# Altium PCB Pannel3.5x2 Ver0.1.PcbDoc (part 1 of 4)
Units mil, origin at the board's own origin, x right, y up, seen from the top; angles counter-clockwise.
Board outline 4133.86 x 2283.46 mil, 4 copper layers (SIGNAL, GROUND, PWR, SIGNAL (Bottom)), stack 61.627 mil thick; 218 components, 165 nets, 799 pads, 640 vias.
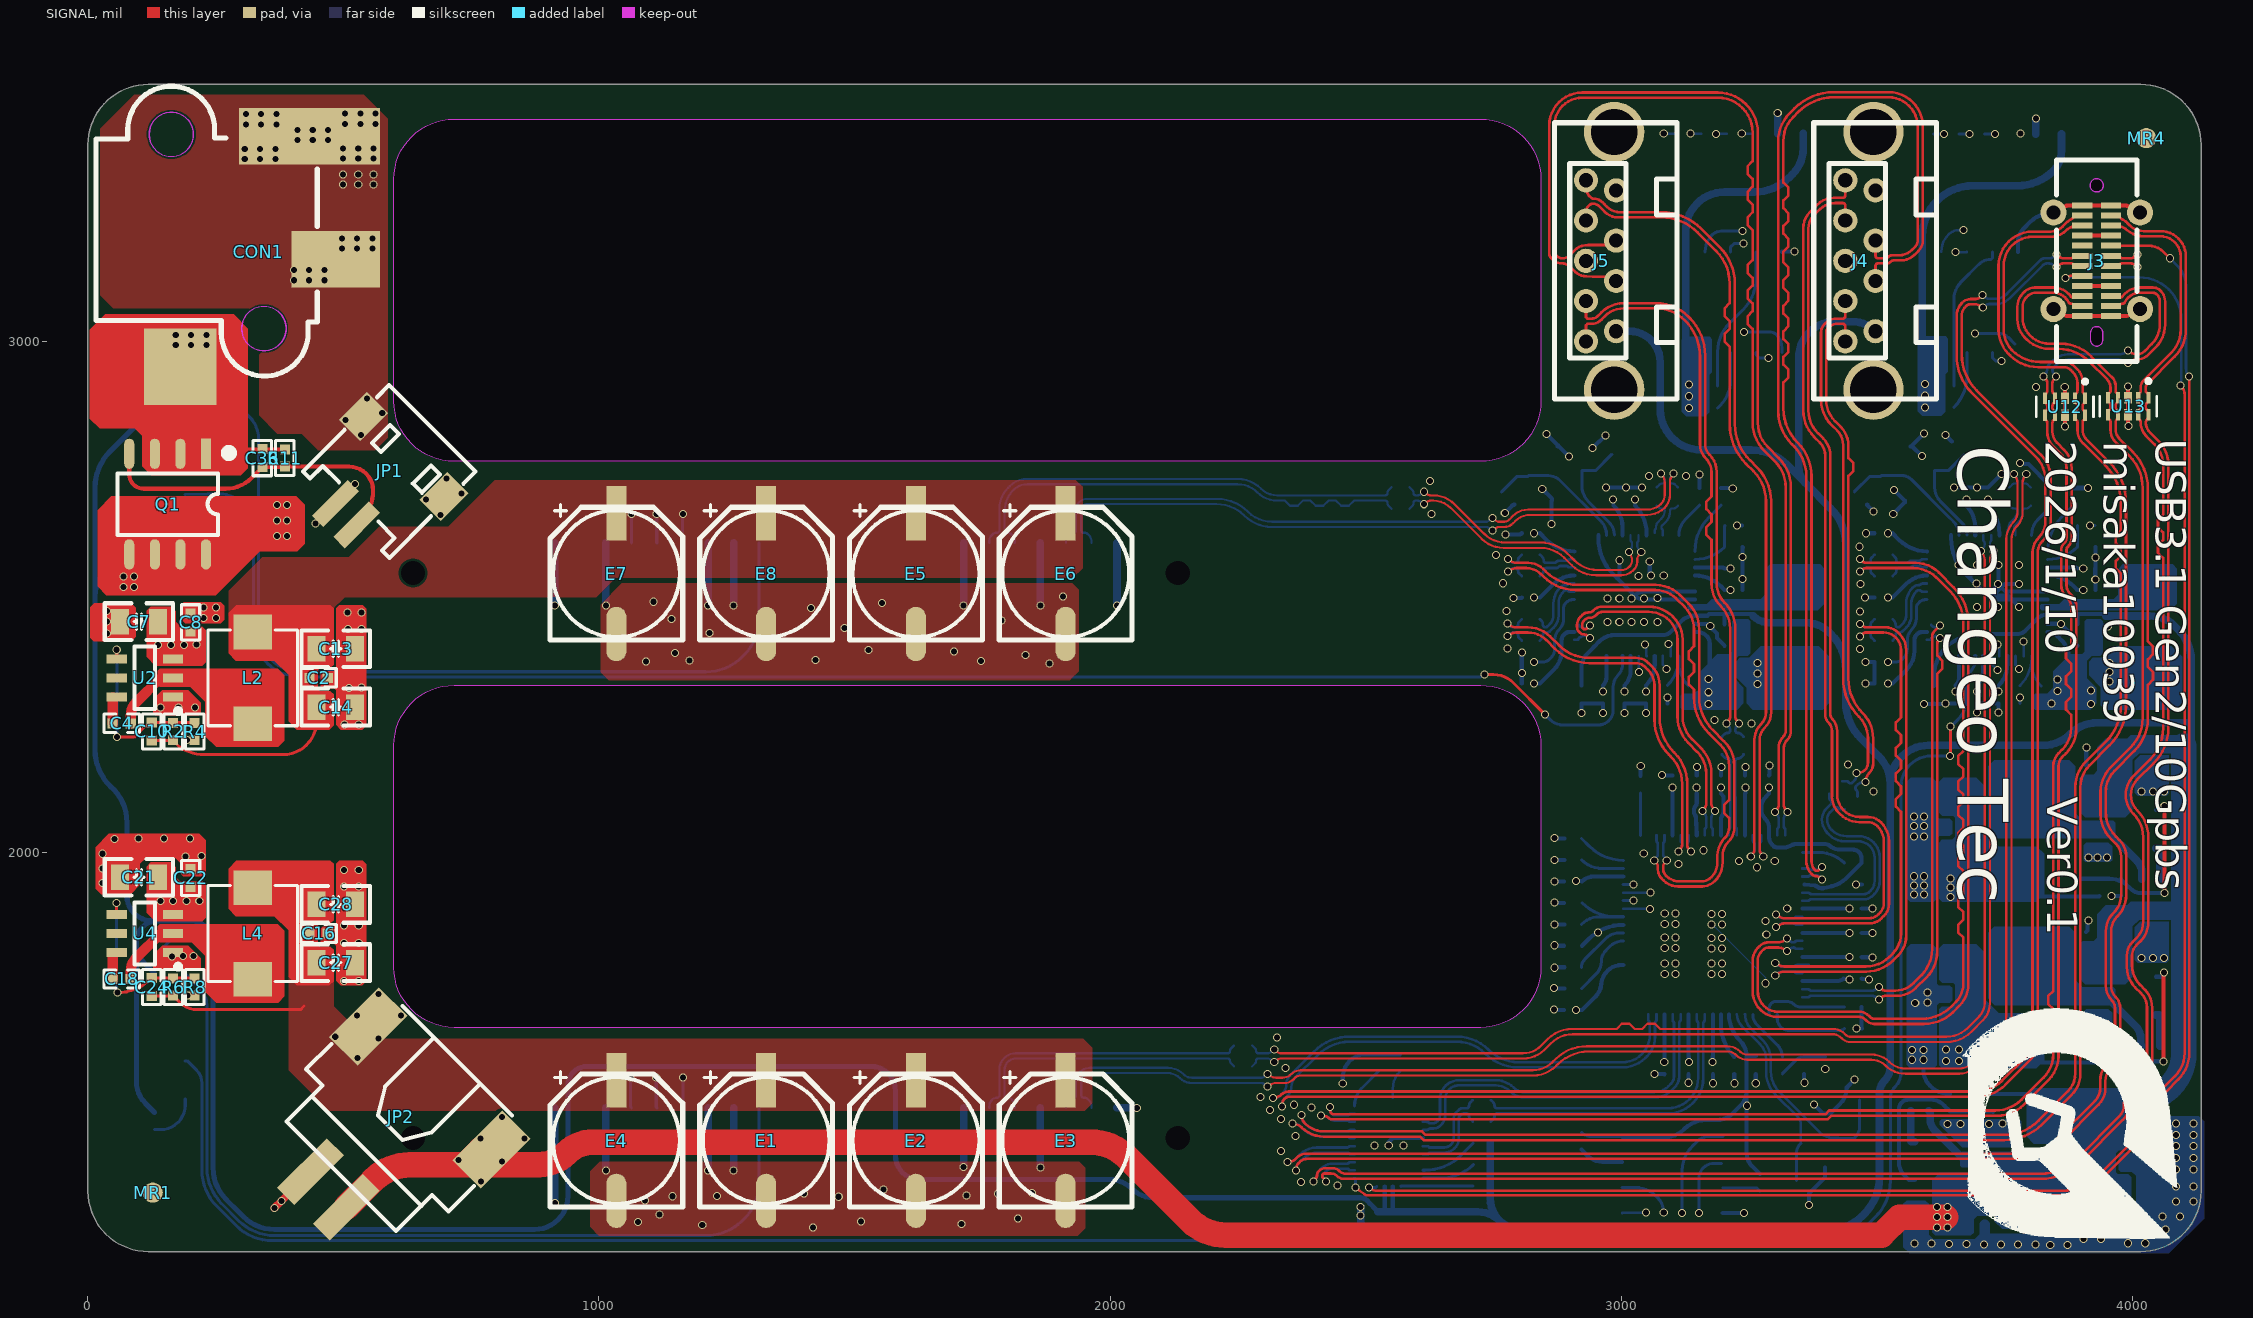
[diagram p0: SIGNAL view]
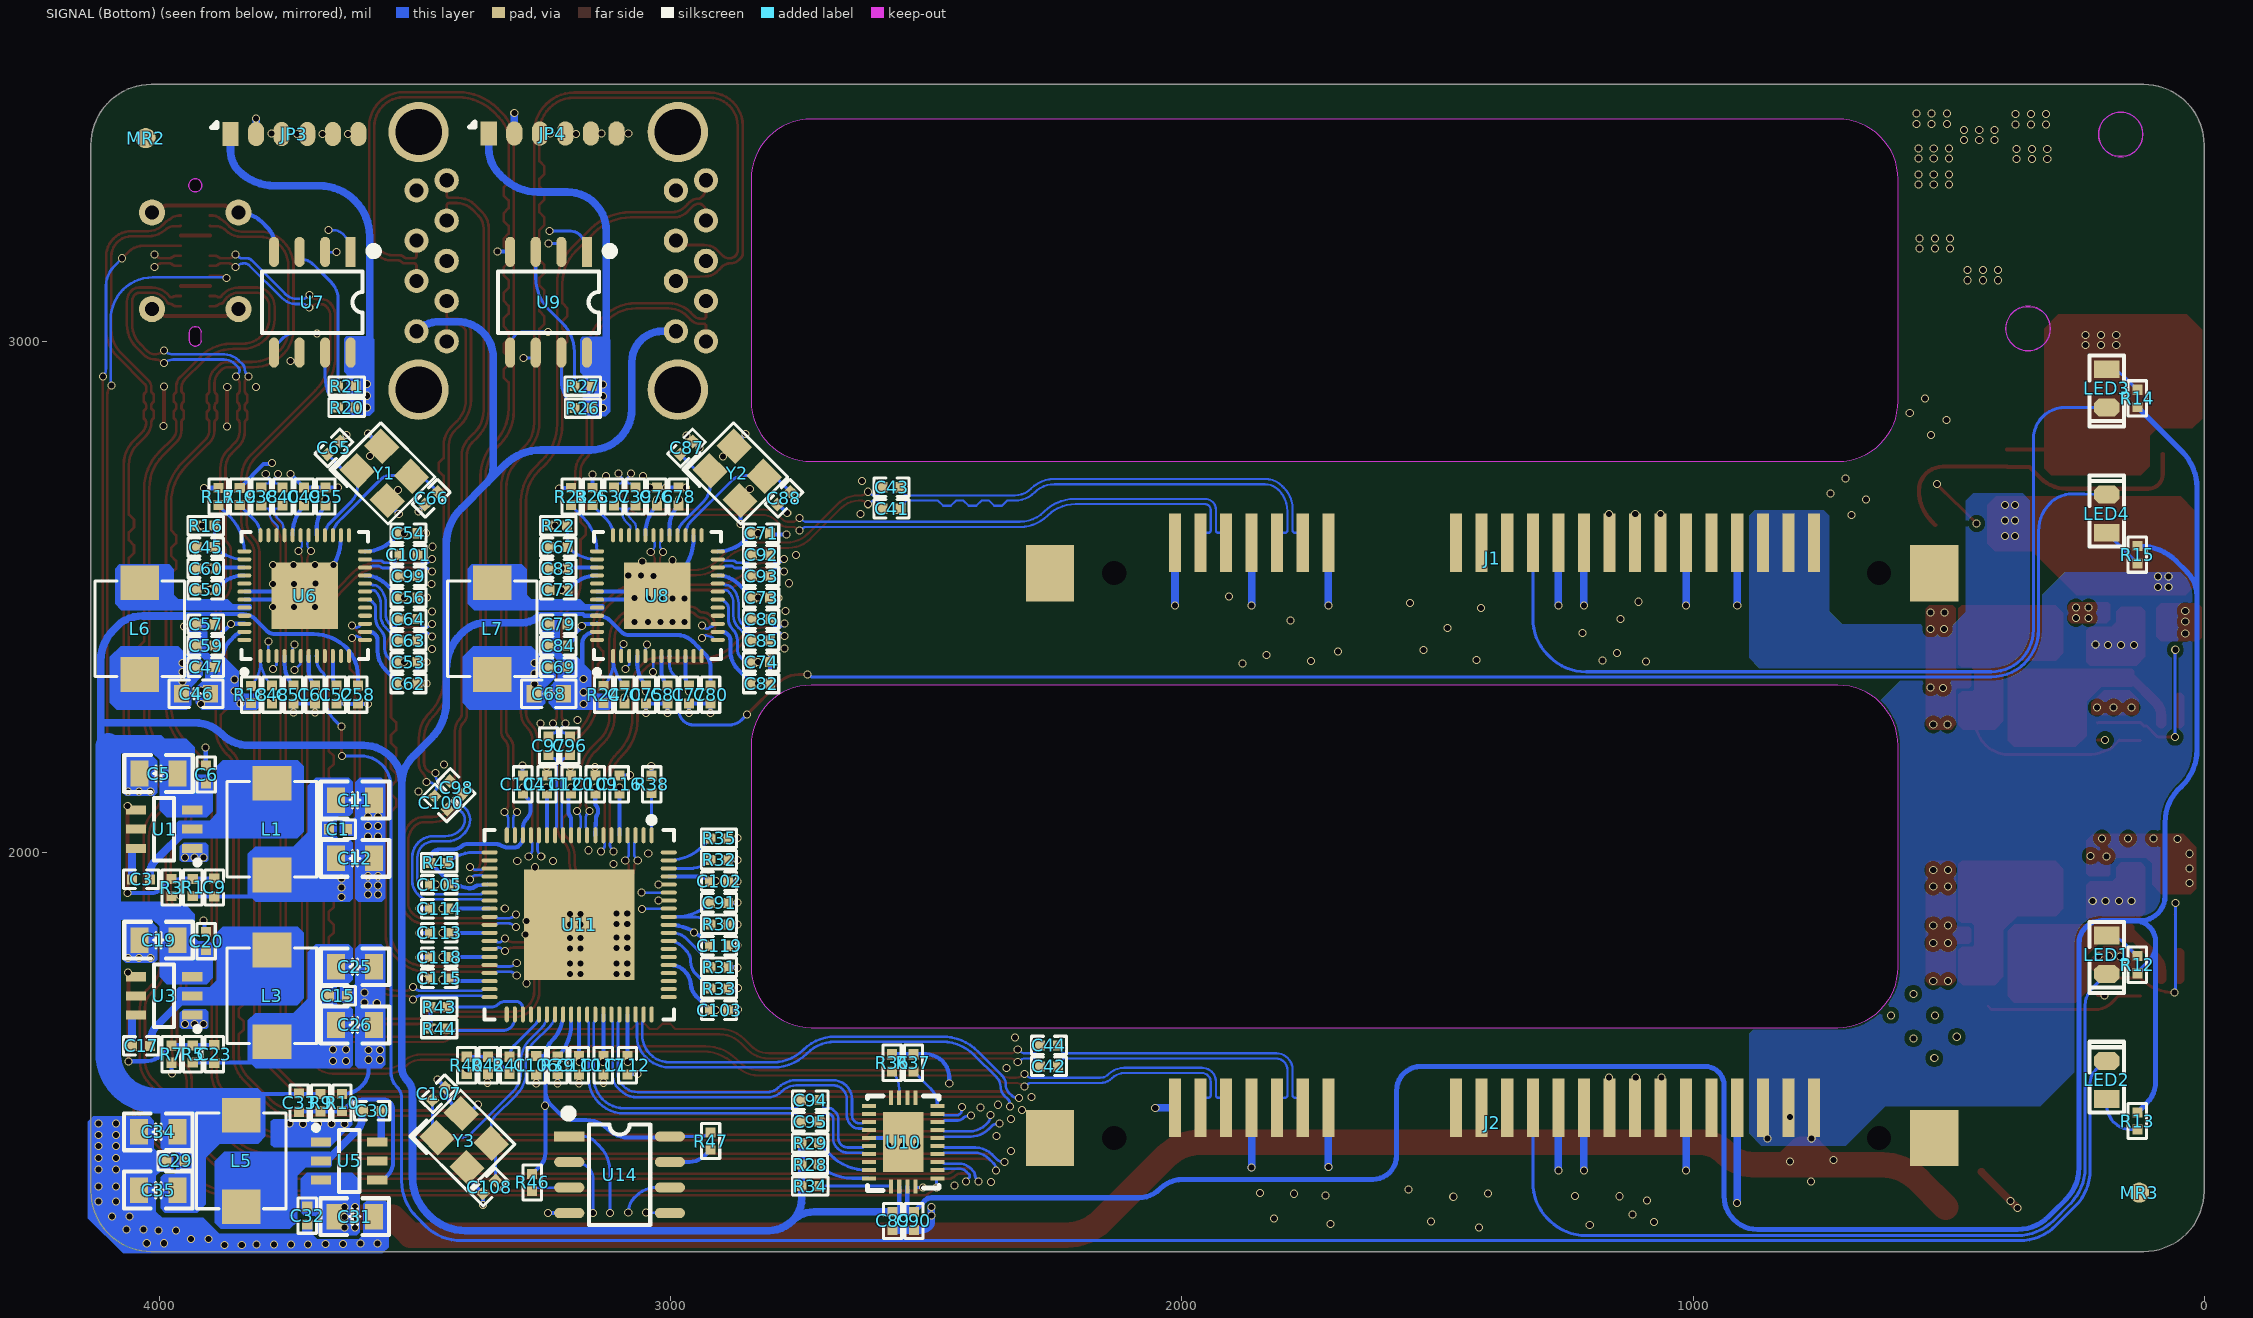
[diagram p1: SIGNAL (Bottom) view, seen from below]
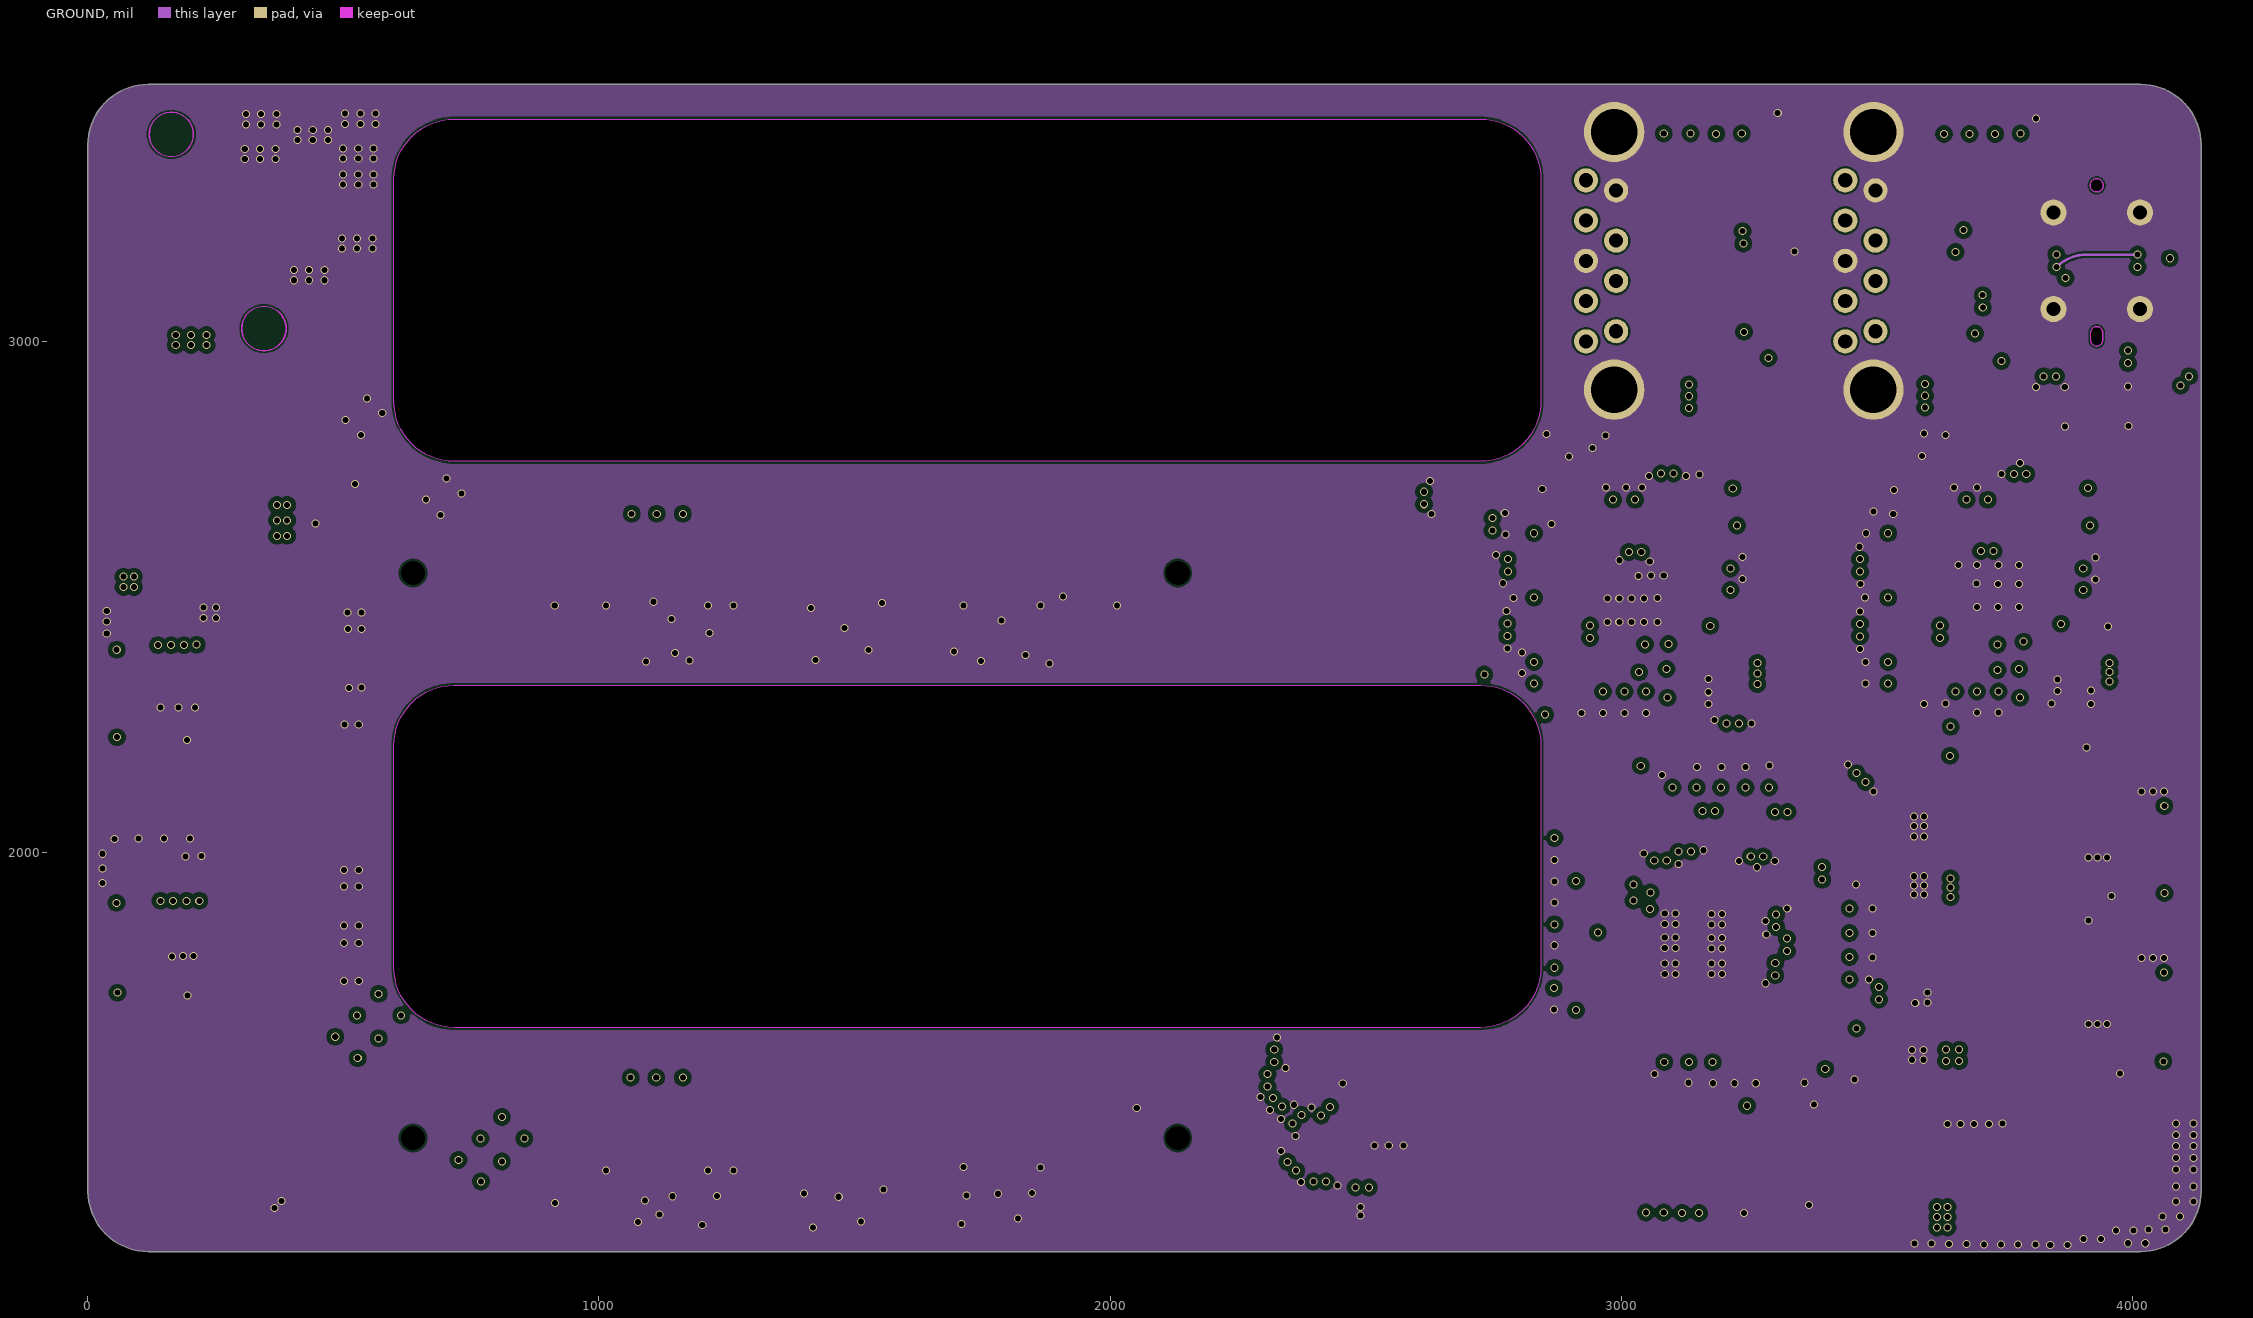
[diagram p2: GROUND]
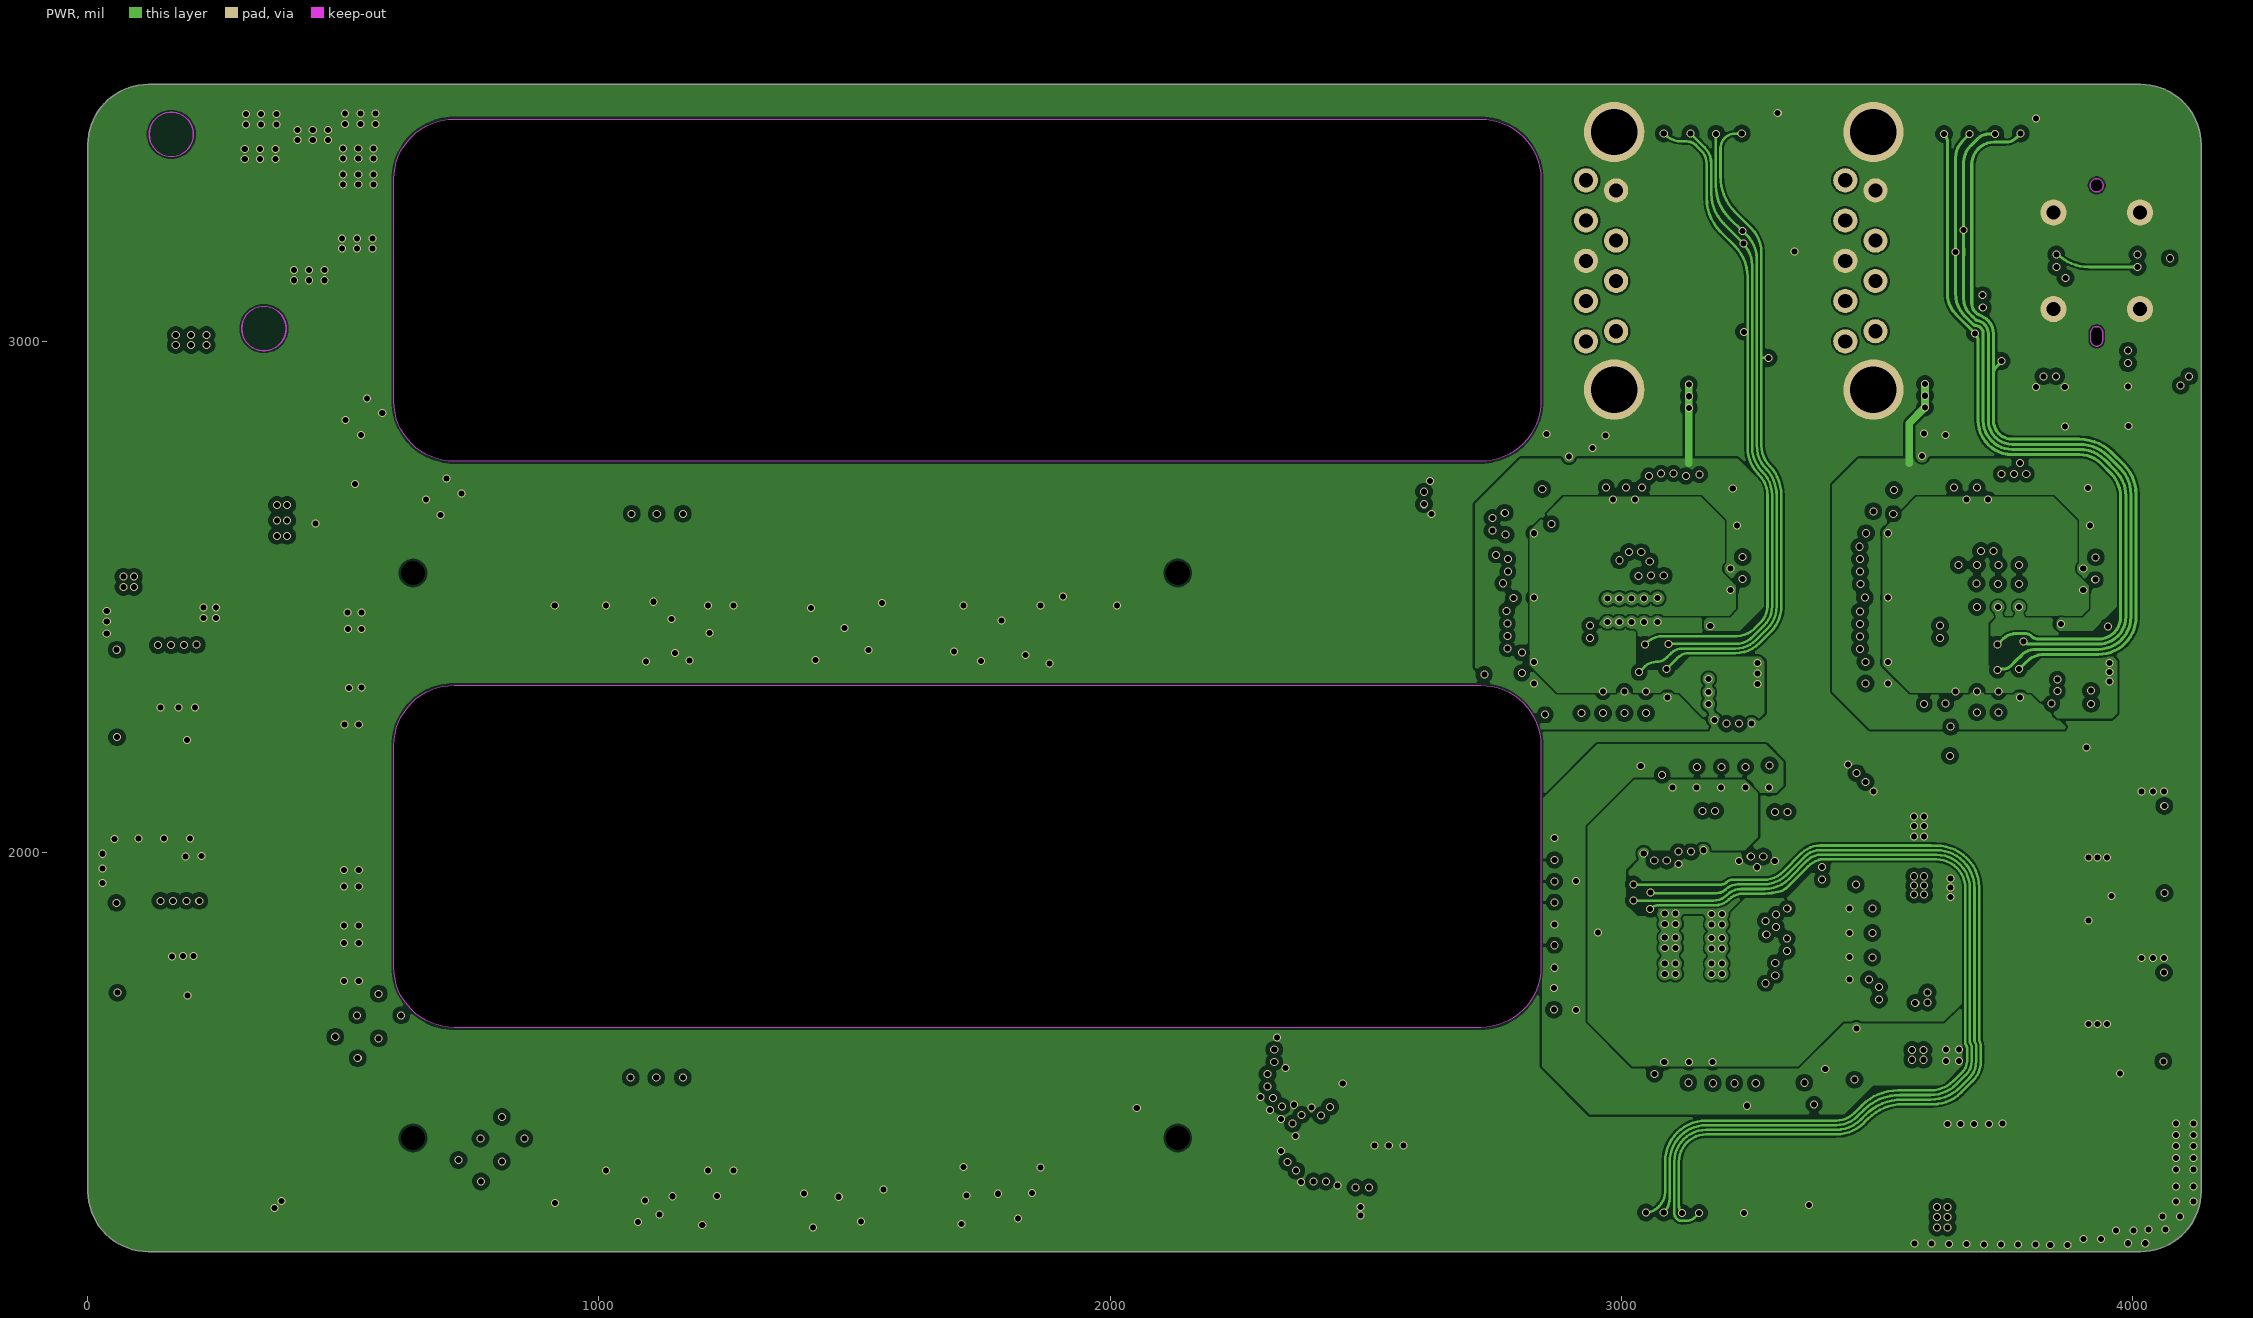
[diagram p3: PWR]